# Altium PCB Motherboard Reversible.PcbDoc (continued)
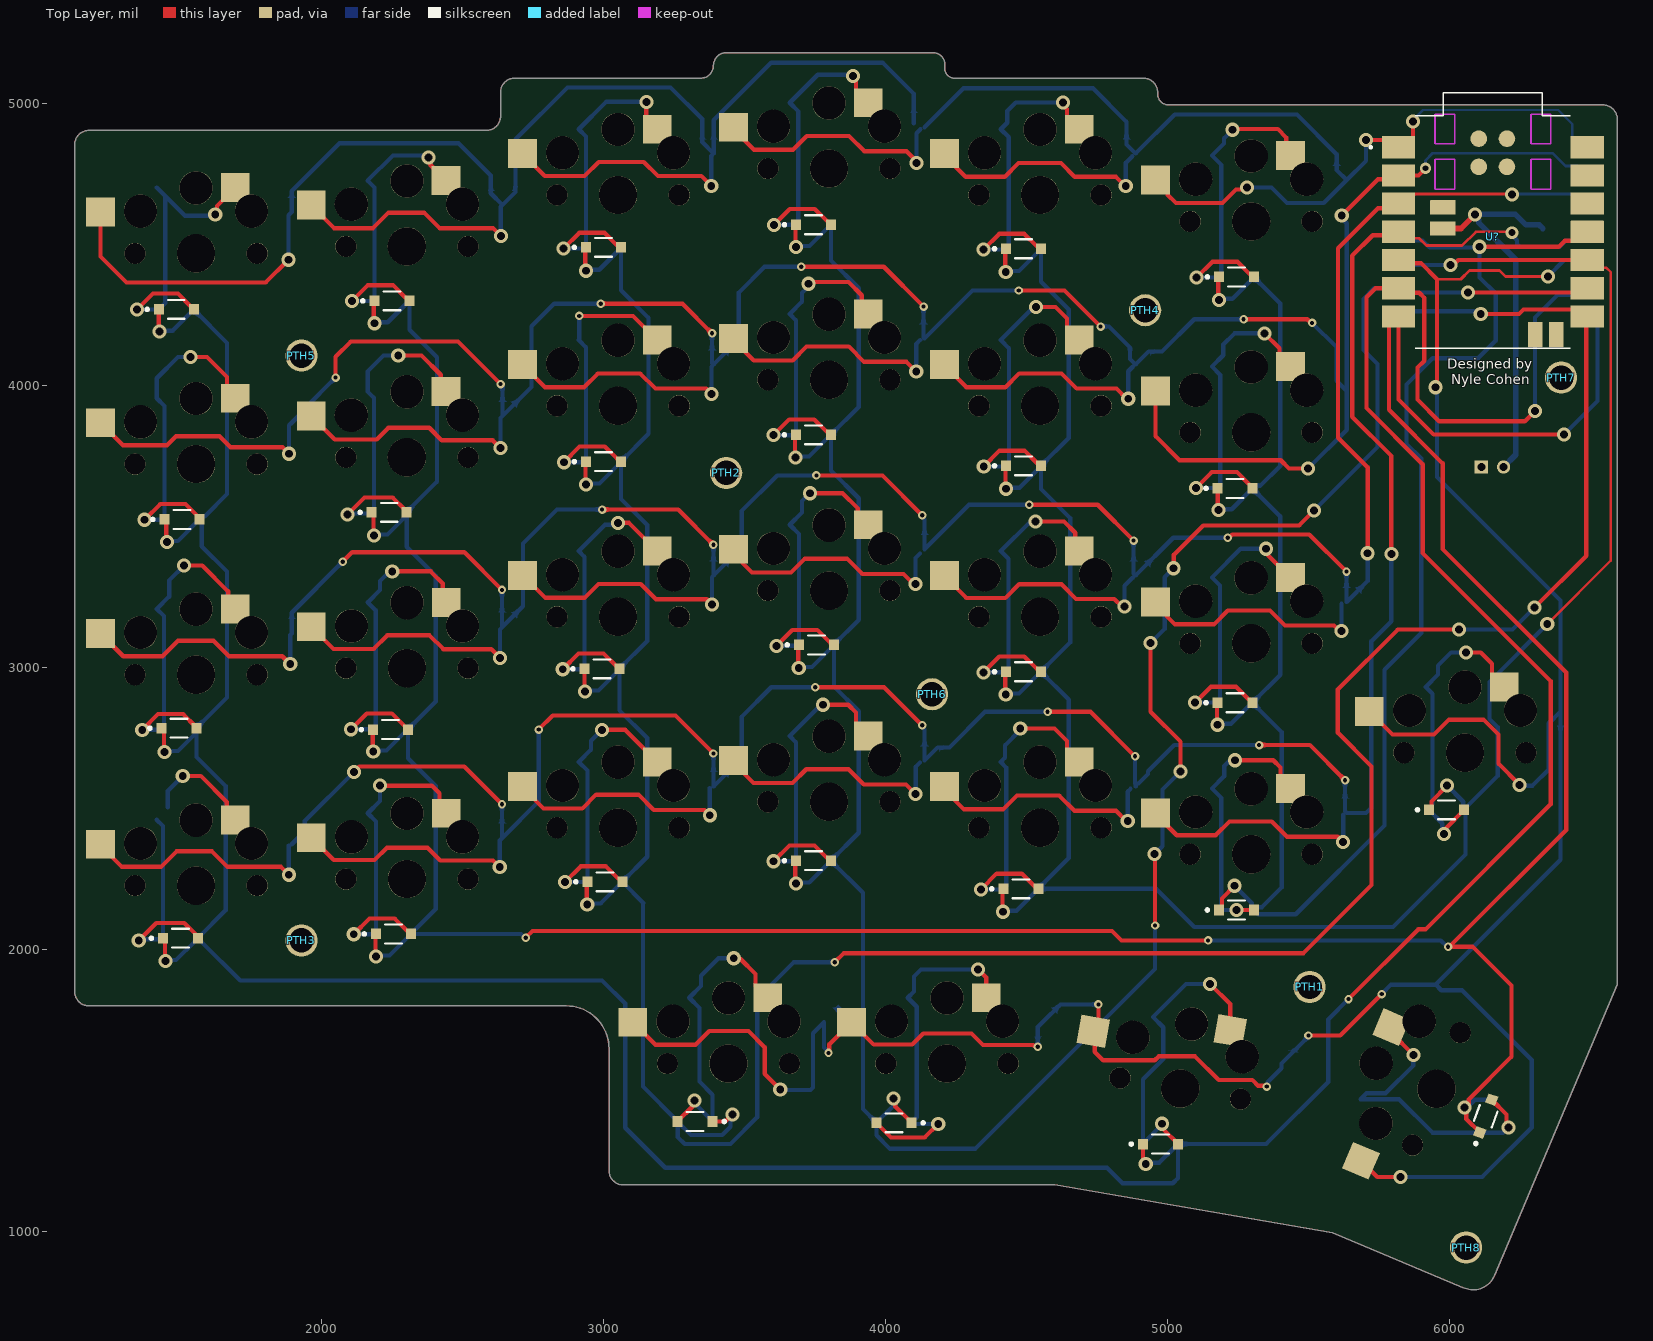
[diagram p0: Top Layer view]
## Nets (pads, with @x,y where several pads share a name; then routed paths per layer and width w, separated by ;. In a path a pad name is that pad's centre, name@x,y a point inside that pad or via, vN(x,y) a via of type N, cw(c..) or ccw(c..) an arc to the next point about the centre after c; other vN are vias at no path point) (continued)
  other v1: 2942.36,2159.91 2934.36,2914.91 2938.36,3648.91 2937.36,4406.91
NetD3_2: D3.2 S3.1 | length 1130
  Top Layer w15: v1(2858.36,4485.91) 2914.36,4541.91 3003.37,4541.91 D3.2@3048.17,4497.11 ; v1(3152,5006) 3152,4947.72 S3.1@3190.72,4909
  Bottom Layer w15: v1(2858.36,4485.91) D3.2@2935.35,4485.91 ; D3.2@2937.99,4490.98 2937.99,4883.38 2912.38,4909 3009.38,5006 v1(3152,5006)
NetD4_1: D4.1 D9.1 D14.1 D19.1 D28.1 U?.8 | length 9766.9
  Top Layer w15: v1@3679.35,3746.92 D9.1@3679.35,3823.91 ; v1@3680.35,2235.92 D19.1@3680.35,2312.91 ; v1@3681.35,4492.92 D4.1@3681.35,4569.91 ; v1@3690.35,2999.92 D14.1@3690.35,3076.91 ; v1(4028,1472) 4034.7,1465.3 4034.7,1443.3 4092.01,1385.98 D28.1@4092.01,1385 ; v1(4940,3087) 4940,2843 5046,2737 v1(5046,2631) ; v1(4954,2338) 4956,2336 v2(4956,2085) ; v1(5022,3352) 5022.5,3352.5 5022.5,3399.5 5127,3504 5467,3504 v1(5520,3557) ; v1(6066,4330) 6473.65,4330 U?.8@6488.65,4345
  Bottom Layer w15: v1@3684.87,3748.42 3728.86,3748.42 D9.1@3803.37,3822.93 ; v1@3685.87,2237.42 3729.86,2237.42 D19.1@3804.37,2311.93 ; v1@3686.87,4494.42 3730.86,4494.42 D4.1@3805.37,4568.93 ; v1@3695.87,3001.42 3739.86,3001.42 D14.1@3814.37,3075.93 ; D4.1@3807.01,4570 3807.01,4442.99 3905,4345 3905,3923.98 3807.01,3825.98 3807.01,3825 3807.01,3697.99 3905,3600 3905,3168.98 3817.01,3080.98 3817.01,3080 3817.01,2932.99 3905,2845 3905,2413.98 3807.01,2315.98 3807.01,2315 3807.01,2314.02 3920,2201.02 3920,1433.98 D28.1@3967.99,1385.98 ; v1(4028,1472) 4028,1445.99 D28.1@3967.99,1385.98 ; v1(4940,3087) 4990,3137 4990,3320 v1(5022,3352) ; v1(4954,2338) 4982,2366 4982,2567 v1(5046,2631) ; v2(4956,2085) 4956,1931 4318,1293 4016,1293 3967.99,1341.01 3967.99,1385 D28.1@3967.99,1385.98 ; v1(5520,3557) 5745,3782 5745,4076 5695,4126 5695,4307 5733,4345 5819.35,4345 5834.35,4330 v1(6066,4330)
  other v1: 3682.36,2233.91 3692.36,2997.91 3681.36,3744.91 3683.36,4490.91
NetD4_2: D4.2 S4.1 | length 1142.1
  Top Layer w15: v1(3604.36,4569.91) 3660.36,4625.91 3749.37,4625.91 D4.2@3794.17,4581.11 ; v1(3885,5098) 3885,5088.53 3895.14,5078.39 3895.14,5046.43 S4.1@3938.82,5002.75
  Bottom Layer w15: v1(3604.36,4569.91) D4.2@3681.35,4569.91 ; D4.2@3682.99,4570 3691,4578.01 3691,4972.22 3660.47,5002.75 3759.73,5102 3881,5102 v1(3885,5098)
NetD5_1: D5.1 D10.1 D15.1 D20.1 D25.1 U?.9 | length 8418.8
  Top Layer w9: v1(6347,3154) 6572,3379 6572,4402 6555.93,4418.07 6515.57,4418.07 U?.9@6488.65,4445
  Top Layer w15: v1@4415.35,2135.92 D20.1@4415.35,2212.91 ; v1@4424.35,2905.92 D15.1@4424.35,2982.91 ; v1@4424.35,4404.92 D5.1@4424.35,4481.91 ; v1@4425.35,3635.92 D10.1@4425.35,3712.91 ; D25.1@5927.99,2495 5936.11,2503.12 5936.11,2525.11 v1(5992,2581) ; v1(6004,4427) 6013.47,4427 6031.47,4445 U?.9@6488.65,4445
  Bottom Layer w15: v1@4420.87,2137.42 4464.86,2137.42 D20.1@4539.37,2211.93 ; v1@4429.87,2907.42 4473.86,2907.42 D15.1@4548.37,2981.93 ; v1@4429.87,4406.42 4473.86,4406.42 D5.1@4548.37,4480.93 ; v1@4430.87,3637.42 4474.86,3637.42 D10.1@4549.37,3711.93 ; D5.1@4552.01,4485 4552.01,4367.99 4650,4270 4650,3813.98 4552.01,3715.98 4552.01,3715 4552.01,3632.99 4655,3530 4655,3088.98 4552.01,2985.98 4552.01,2985 4552.01,2984.02 4650,2886.02 4650,2323.98 4542.01,2215.98 4542.01,2215 4960,2215 5095,2080 5800,2080 6057.01,2337.01 6057.01,2490 6049,2498.01 6049,2524 v1(5992,2581) ; U?.9@5819.35,4445 5837.35,4427 v1(6004,4427) ; D25.1@6052.01,2495.98 6171,2614.98 6171,2789 6142,2818 6142,2949 v1(6347,3154)
  other v1: 4417.36,2133.91 4426.36,2903.91 4427.36,3633.91 4426.36,4402.91
NetD5_2: D5.2 S5.1 | length 1151.7
  Top Layer w15: v1(4347.36,4481.91) 4403.36,4537.91 4492.37,4537.91 D5.2@4537.17,4493.11 ; v1(4630,5004) 4630,4994.53 4643.48,4981.05 4643.48,4952.68 S5.1@4687.16,4909
  Bottom Layer w15: v1(4347.36,4481.91) D5.2@4424.35,4481.91 ; D5.2@4427.99,4485 4437,4494.01 4437,4880.81 4408.81,4909 4431.89,4932.08 4431.89,4973.89 4462,5004 v1(4630,5004)
NetD6_2: D6.2 S6.1 | length 1216.6
  Top Layer w15: v1(1372.36,3523.91) 1428.36,3579.91 1517.37,3579.91 D6.2@1562.17,3535.11 ; v1(1535,4101) 1594,4101 1665,4030 1665,3984.09 S6.1@1694.29,3954.8
  Bottom Layer w15: v1(1372.36,3523.91) D6.2@1449.35,3523.91 ; D6.2@1442.99,3525.98 1442.99,3927.76 1415.94,3954.8 1415.94,4025.94 1491,4101 v1(1535,4101)
NetD7_2: D7.2 S7.1 | length 1233.6
  Top Layer w15: v1(2092,3542) 2152.91,3602.91 2252.37,3602.91 D7.2@2297.17,3558.11 ; v1(2272,4106) 2355,4106 2423,4038 2423,3997.71 S7.1@2442.01,3978.7
  Bottom Layer w15: v1(2092,3542) 2096,3546 2183.44,3546 D7.2@2184.35,3546.91 ; D7.2@2177.99,3550 2186,3558.01 2186,3956.36 2163.66,3978.7 2163.66,4049.66 2220,4106 v1(2272,4106)
NetD8_2: D8.2 S8.1 | length 1148.2
  Top Layer w15: v1(2859.36,3727.91) 2915.36,3783.91 3004.37,3783.91 D8.2@3049.17,3739.11 ; v2(2914,4247) 3104.75,4247 S8.1@3190.72,4161.02
  Bottom Layer w15: v1(2859.36,3727.91) D8.2@2936.35,3727.91 ; v2(2914,4247) 2914,4162.65 2912.38,4161.02 2937.99,4135.41 D8.2@2937.99,3730.98
NetD9_2: D9.2 S9.1 | length 1167.2
  Top Layer w15: v1(3602.36,3823.91) 3658.36,3879.91 3747.37,3879.91 D9.2@3792.17,3835.11 ; v1(3727,4361) 3733,4367 3869,4367 3916,4320 3916,4276.52 S9.1@3938.82,4253.7
  Bottom Layer w15: v1(3602.36,3823.91) D9.2@3679.35,3823.91 ; D9.2@3682.99,3825.98 3682.99,4231.18 3660.47,4253.7 3704.15,4297.38 3704.15,4328.68 3727,4351.53 v1(3727,4361)
NetD10_2: D10.2 S10.1 | length 1165.3
  Top Layer w15: v1(4348.36,3712.91) 4404.36,3768.91 4493.37,3768.91 D10.2@4538.17,3724.11 ; v1(4534,4278) 4603,4278 4643.48,4237.52 4643.48,4204.7 S10.1@4687.16,4161.02
  Bottom Layer w15: v1(4348.36,3712.91) D10.2@4425.35,3712.91 ; D10.2@4427.99,3715 4438,3725.01 4438,4131.83 4408.81,4161.02 4525.79,4278 v1(4534,4278)
NetD11_2: D11.2 S11.1 | length 1206.4
  Top Layer w15: v1(1364.36,2778.91) 1420.36,2834.91 1509.37,2834.91 D11.2@1554.17,2790.11 ; v1(1513,3362) 1577,3362 1669,3270 1669,3232.91 S11.1@1694.29,3207.61
  Bottom Layer w15: v1(1364.36,2778.91) D11.2@1441.35,2778.91 ; D11.2@1432.99,2785 1441,2793.01 1441,3182.56 1415.94,3207.61 1459.63,3251.3 1459.63,3308.63 v1(1513,3362)
NetD12_2: D12.2 S12.1 | length 1195.3
  Top Layer w15: v1(2104.36,2780.91) 2160.36,2836.91 2249.37,2836.91 D12.2@2294.17,2792.11 ; v1(2251,3341) 2387,3341 2430,3298 2430,3243.2 S12.1@2442.17,3231.02
  Bottom Layer w15: v1(2104.36,2780.91) D12.2@2181.35,2780.91 ; D12.2@2182.99,2780 2192,2789.01 2192,3202.85 2163.83,3231.02 2207.51,3274.7 2207.51,3306.71 2241.8,3341 v1(2251,3341)
NetD13_2: D13.2 S13.1 | length 1095.3
  Top Layer w15: v1(2855.36,2993.91) 2911.36,3049.91 3000.37,3049.91 D13.2@3045.17,3005.11 ; v1(3052,3513) 3090.75,3513 S13.1@3190.72,3413.02
  Bottom Layer w15: v1(2855.36,2993.91) D13.2@2932.35,2993.91 ; D13.2@2932.99,2995.98 2932.99,3392.41 2912.38,3413.02 3005.66,3506.3 3045.3,3506.3 v1(3052,3513)
NetD14_2: D14.2 S14.1 | length 1154.3
  Top Layer w15: v1(3613.36,3076.91) 3669.36,3132.91 3758.37,3132.91 D14.2@3803.17,3088.11 ; v1(3732,3618) 3848,3618 3902,3564 3902,3542.84 S14.1@3938.82,3506.02
  Bottom Layer w15: v1(3613.36,3076.91) D14.2@3690.35,3076.91 ; D14.2@3692.99,3080.98 3692.99,3473.5 3660.47,3506.02 3704.15,3549.7 3704.15,3590.15 v1(3732,3618)
NetD15_2: D15.2 S15.1 | length 1146.2
  Top Layer w15: v1(4347.36,2982.91) 4403.36,3038.91 4492.37,3038.91 D15.2@4537.17,2994.11 ; v1(4532,3518) 4633,3518 4673,3478 4673,3427.18 S15.1@4687.16,3413.02
  Bottom Layer w15: v1(4347.36,2982.91) D15.2@4424.35,2982.91 ; D15.2@4427.99,2985 4436,2993.01 4436,3385.84 4408.81,3413.02 4513.79,3518 v1(4532,3518)
NetD16_2: D16.2 S16.1 | length 1138
  Top Layer w15: v1(1352,2032) 1413.91,2093.91 1513.37,2093.91 D16.2@1558.17,2049.11 ; v1(1508,2615) 1572,2615 1664,2523 S16.1@1664,2485.91
  Bottom Layer w15: v1(1352,2032) 1356,2036 1436.08,2036 1437.99,2037.91 D16.2@1445.35,2037.91 ; S16.1@1415.94,2459.7 1437.99,2437.65 D16.2@1437.99,2040.98 ; S16.1@1454.63,2504.3 1454.63,2561.63 v1(1508,2615)
NetD17_2: D17.2 S17.1 | length 1166.7
  Top Layer w15: v1(2114.36,2053.91) 2170.36,2109.91 2259.37,2109.91 D17.2@2304.17,2065.11 ; v1(2207,2581) 2391,2581 2418,2554 2418,2507.2 S17.1@2442.17,2483.02
  Bottom Layer w15: v1(2114.36,2053.91) D17.2@2191.35,2053.91 ; D17.2@2192.99,2055.98 2192.99,2453.86 2163.83,2483.02 2207,2526.2 v1(2207,2581)
NetD18_2: D18.2 S18.1 | length 1136.4
  Top Layer w15: v1(2863.36,2238.91) 2919.36,2294.91 3008.37,2294.91 D18.2@3053.17,2250.11 ; v1(2995,2779) 3076.75,2779 S18.1@3190.72,2665.02
  Bottom Layer w15: v1(2863.36,2238.91) D18.2@2940.35,2238.91 ; D18.2@2942.99,2240.98 2942.99,2634.41 2912.38,2665.02 2956.06,2708.7 2956.06,2740.06 v1(2995,2779)
NetD19_2: D19.2 S19.1 | length 1152.7
  Top Layer w15: v1(3603.36,2312.91) 3659.36,2368.91 3748.37,2368.91 D19.2@3793.17,2324.11 ; v1(3778,2868) 3868,2868 3895.14,2840.86 3895.14,2800.7 S19.1@3938.82,2757.02
  Bottom Layer w15: v1(3603.36,2312.91) D19.2@3680.35,2312.91 ; D19.2@3682.99,2315.98 3682.99,2734.5 3660.47,2757.02 3771.45,2868 v1(3778,2868)
NetD20_2: D20.2 S20.1 | length 1194.8
  Top Layer w15: v1(4338.36,2212.91) 4394.36,2268.91 4483.37,2268.91 D20.2@4528.17,2224.11 ; v1(4478,2784) 4599,2784 4643.48,2739.52 4643.48,2708.68 S20.1@4687.16,2665
  Bottom Layer w15: v1(4338.36,2212.91) D20.2@4415.35,2212.91 ; D20.2@4417.99,2215 4428,2225.01 4428,2645.81 4408.81,2665 4424,2680.19 4424,2724 4478,2778 v1(4478,2784)
NetD21_2: D21.2 S21.1 | length 1140.2
  Top Layer w15: v1(4981,1382) 4987.7,1375.3 4987.7,1360.3 5037.01,1310.98 D21.2@5037.01,1310 ; v1(5151,1878) 5222.73,1806.27 S21.1@5222.73,1712.44
  Bottom Layer w15: v1@4981,1385 4981,1378.99 4912.99,1310.98 4912.99,1310 4912.99,1539.99 4985,1612 4985,1724.39 4948.62,1760.78 5065.84,1878 v1(5151,1878)
NetD22_1: D22.1 D24.1 D27.1 D29.1 U?.10 | length 7102.8
  Top Layer w15: v1@5175.35,2798.92 D24.1@5175.35,2875.91 ; v1@5178.35,3559.92 D27.1@5178.35,3636.91 ; v1@5180.35,4305.92 D22.1@5180.35,4382.91 ; D29.1@5182.99,2140 5193.2,2150.21 5193.2,2181.2 v1(5238,2226) ; v1(6107,4492) 6388,4492 6409.13,4513.13 6456.78,4513.13 U?.10@6488.65,4545
  Bottom Layer w15: v1@5180.87,2800.42 5224.86,2800.42 D24.1@5299.37,2874.93 ; v1@5183.87,3561.42 5227.86,3561.42 D27.1@5302.37,3635.93 ; v1@5185.87,4307.42 5229.86,4307.42 D22.1@5304.37,4381.93 ; v1(5238,2226) 5299,2165 5299,2148.01 D29.1@5307.01,2140 ; D29.1@5307.01,2139.02 5319.72,2126.3 5320.71,2126.3 5322.01,2125 5455,2125 5770,2440 5770,2992 5900,3122 5900,3741 5848,3793 5848,4004 5941,4097 6102,4097 6164,4159 6164,4326 6107,4383 v1(6107,4492) 6104,4489 5930,4489 5904.69,4514.31 5850.04,4514.31 U?.10@5819.35,4545 ; D29.1@5307.01,2140.98 5316.15,2150.12 5335.12,2150.12 5405,2220 5405,2771.02 5302.01,2874.02 5302.01,2875 5302.01,2875.98 5400,2973.98 5400,3536.02 5302.01,3634.02 5302.01,3635 5312.01,3645 5330,3645 5400,3715 5400,4291.02 5307.01,4384.02 D22.1@5307.01,4385
  other v1: 5177.36,2796.91 5180.36,3557.91 5182.36,4303.91
NetD22_2: D22.2 S22.1 | length 1152.3
  Top Layer w15: v1(5103.36,4382.91) 5159.36,4438.91 5248.37,4438.91 D22.2@5293.17,4394.11 ; v1(5231,4907) 5233.5,4909.5 5391.5,4909.5 5421,4880 5421,4830.12 S22.1@5435.87,4815.24
  Bottom Layer w15: v1(5103.36,4382.91) D22.2@5180.35,4382.91 ; D22.2@5182.99,4385 5191,4393.01 5191,4781.77 5157.53,4815.24 5200.48,4858.19 5200.48,4876.48 v1(5231,4907)
NetD23_2: D23.2 S23.1 | length 1112.3
  Top Layer w15: D23.2@3262.99,1390 3262.99,1390.98 3316.3,1444.3 3316.3,1457.3 v1(3323,1464) ; v1(3462,1969) 3464,1967 3485,1967 3538.64,1913.36 3538.64,1872.38 S23.1@3582.32,1828.7
  Bottom Layer w15: v1(3323,1464) 3323,1454.99 3387.01,1390.98 3387.01,1390 3387.01,1484.99 3340,1532 3340,1792.68 3303.98,1828.7 3346,1870.72 3346,1907 3408,1969 v1(3462,1969)
NetD24_2: D24.2 S24.1 | length 1139.4
  Top Layer w15: v1(5098.36,2875.91) 5154.36,2931.91 5243.37,2931.91 D24.2@5288.17,2887.11 ; v1(5349,3421) 5355.7,3414.3 5355.7,3399.2 S24.1@5435.87,3319.02
  Bottom Layer w15: v1(5098.36,2875.91) D24.2@5175.35,2875.91 ; D24.2@5177.99,2875 5186,2883.01 5186,3290.55 5157.53,3319.02 5259.5,3421 v1(5349,3421)
NetD25_2: D25.2 S25.1 | length 1093.1
  Top Layer w15: v1(5981,2410) 5987.7,2416.7 5987.7,2429.7 6052.01,2494.02 D25.2@6052.01,2495 ; v1(6059,3053) 6111,3053 6150.49,3013.51 6150.49,2974.7 S25.1@6194.17,2931.02
  Bottom Layer w15: v1(5981,2410) 5974.3,2416.7 5974.3,2447.7 5927.99,2494.02 5927.99,2495 5938.21,2505.22 5938.21,2513.2 5940,2514.99 5940,2906.85 5915.83,2931.02 5959.51,2974.7 5959.51,3006.51 6006,3053 v1(6059,3053)
NetD26_2: D26.2 S26.1 | length 1109.3
  Top Layer w15: S26.1@5793.43,1724.92 5793.43,1704.57 v1(5872,1626) ; D26.2@6150.21,1467.27 6202.3,1415.17 6202.3,1375.7 v1(6209,1369)
  Bottom Layer w15: v1(5872,1626) 5872,1589 5773,1490 5705.97,1490 5684.67,1468.7 5821.3,1468.7 5939.6,1350.39 6190.4,1350.39 v1(6209,1369)
NetD27_2: D27.2 S27.1 | length 1169.9
  Top Layer w15: v1(5101.36,3636.91) 5157.36,3692.91 5246.37,3692.91 D27.2@5291.17,3648.11 ; v1(5344,4185) 5397.08,4131.92 5397.08,4105.82 S27.1@5435.87,4067.02
  Bottom Layer w15: v1(5101.36,3636.91) D27.2@5178.35,3636.91 ; D27.2@5177.99,3635 5187,3644.01 5187,4037.55 5157.53,4067.02 5198,4107.5 5198,4145 5238,4185 v1(5344,4185)
NetD28_2: D28.2 S28.1 | length 1256.3
  Top Layer w15: D28.2@3967.99,1385 3967.99,1384.02 3978.21,1373.8 3979.19,1373.8 4019.99,1333 4139,1333 v1(4187,1381) ; v1(4328,1929) 4329,1929 4357.32,1900.68 S28.1@4357.32,1828.7
  Bottom Layer w15: D28.2@4092.01,1385 4096.01,1381 v1(4187,1381) ; D28.2@4092.01,1385.98 4111,1404.98 4111,1796.68 4078.98,1828.7 4101,1850.72 4101,1904 4126,1929 v1(4328,1929)
NetD29_2: D29.2 S29.1 | length 964.5
  Top Layer w15: v1(5239,2671) 5375,2671 5401,2645 5401,2605.9 S29.1@5435.87,2571.02 ; v1(5245,2140) D29.2@5307.01,2140
  Bottom Layer w15: v1(5239,2671) 5222,2671 5201.21,2650.21 5201.21,2614.7 5157.53,2571.02 5191,2537.55 5191,2142.21 5193.21,2140 v1(5245,2140)
NetP?_2: P?.2 U?.BAT_P | length 1369.4
  Top Layer w20: U?.BAT_P@5976.83,4556.81 6040.81,4556.81 v1(6091,4607)
  Bottom Layer w20: P?.2 6192,3711.34 6235,3754.34 6235,4446 6103.39,4577.61 6103.39,4586.49 6091,4598.88 v1(6091,4607) 6234,4607 6271.33,4569.67 6318.31,4569.67 U?.BAT_P@6331.17,4556.81
NetS1_2: S1.2 S2.2 S3.2 S4.2 S5.2 S22.2 U?.0 | length 11624.5
  Top Layer w15: S1.2@1215.94,4615.2 1215.94,4457.06 1308,4365 1802,4365 v1(1883,4446) ; S2.2@1962.94,4639 2043.94,4558 2183,4558 2238,4613 2364,4613 2419,4558 2608,4558 v1(2636,4530) ; S3.2@2712.38,4822.38 2791.76,4743 2933,4743 2983,4793 3143,4793 3193,4743 3347,4743 v1(3382,4708) ; S4.2@3453.38,4916.41 3533.79,4836 3672,4836 3721,4885 3871,4885 3925,4831 4074.22,4831 4110,4795.22 v1(4110,4789) ; S5.2@4204.38,4820.41 4284.79,4740 4423,4740 4472,4789 4622,4789 4671,4740 4817.82,4740 4850.82,4707 v1(4852,4707) ; S22.2@4957.53,4728.63 5001.21,4684.95 5001.21,4675.79 5030,4647 5195,4647 5243.3,4695.3 5275.3,4695.3 v1(5282,4702) ; v1(5704,4871) 5793.35,4871 5819.35,4845 5845.72,4871.36 5864.86,4871.36 5870.36,4876.87 5870.36,4935.36 v1(5871,4936)
  Bottom Layer w8: v1(5871,4936) 5871,4942 5906,4977 6386,4977 6435.77,4927.23 6435.77,4879.37 6470.14,4845 U?.0@6488.65,4845
  Bottom Layer w15: v1(1883,4446) 1883,4603.91 1894.29,4615.2 1894.29,4689.29 2064,4859 2486,4859 2600,4745 2600,4681.89 2642.01,4639.88 2688.19,4686.06 2688.19,4873.19 2872,5057 3238,5057 3350,4945 3350,4863.11 S3.2@3390.72,4822.38 ; v1(2636,4530) S2.2@2636,4633.71 ; v1(3382,4708) 3382,4813.66 S3.2@3390.72,4822.38 ; S4.2@4100,4930 4100,5035 3990,5145 3595,5145 3390.72,4940.72 S3.2@3390.72,4822.38 ; v1(4110,4789) 4110,4894.69 S4.2@4124,4908.69 ; S4.2@4138.82,4916.13 4276.69,5054 4736,5054 4855,4935 4855,4854.54 4887.16,4822.38 5025.78,4961 5459,4961 5600,4820 5600,4764.5 S22.2@5635.87,4728.63 ; v1(4852,4707) 4852,4789.69 S5.2@4875,4812.69 ; v1(5282,4702) 5369,4702 5424,4647 5554.24,4647 S22.2@5635.87,4728.63 ; v1(5704,4871) 5704,4796.76 S22.2@5635.87,4728.63
NetS6_2: S6.2 S7.2 S8.2 S9.2 S10.2 S27.2 U?.1 | length 12411.8
  Top Layer w15: S6.2@1215.94,3868.19 1296.13,3788 1452,3788 1484,3820 1638,3820 1677,3781 1862,3781 v1(1885,3758) ; S7.2@1963.66,3892.09 2046.75,3809 2196,3809 2237,3850 2382,3850 2426,3806 2607,3806 v1(2635,3778) ; v2(2050,4028) 2050,4102 2104,4156 2484,4156 v2(2635,4005) ; S8.2@2712.38,4074.41 2792.79,3994 2931,3994 2980,4043 3130,4043 3184,3989 3364,3989 v1(3383,3970) ; v2(2990,4290) 3280,4290 v2(3385,4185) ; S9.2@3452.38,4169.41 3532.79,4089 3671,4089 3720,4138 3870,4138 3924,4084 4075,4084 v1(4109,4050) ; v2(3701,4421) 3994,4421 v2(4135,4280) ; S10.2@4206.38,4074.41 4286.79,3994 4425,3994 4474,4043 4624,4043 4678,3989 4819.22,3989 4855.22,3953 v1(4861,3953) ; v2(4473,4337) 4635,4337 v2(4763,4209) ; S27.2@4957.53,3980.41 4957.53,3820.47 5043,3735 5402,3735 5431,3706 v1(5499,3706) ; v2(5270,4235) 5495.94,4235 5508.94,4222 v2(5513,4222) ; v1(5618,4603) 5746.59,4731.59 5805.94,4731.59 5819.35,4745 5890,4745 v4(5915,4770)
  Bottom Layer w10: v4(5915,4770) 5915,4798 5941,4824 6366,4824 6411.81,4778.19 6455.46,4778.19 U?.1@6488.65,4745
  Bottom Layer w15: v1(1885,3758) 1885,3858.9 1894.29,3868.19 1940.47,3914.37 1940.47,3918.47 v2(2050,4028) ; v1(2635,3778) 2635,3885.08 S7.2@2642.01,3892.09 ; v2(2635,4005) 2635,3999.59 2642.01,3992.58 S7.2@2642.01,3892.09 ; v2(2990,4290) 2825,4290 2745,4210 2745,3995.08 S7.2@2642.01,3892.09 ; v1(3383,3970) 3383,4066.68 S8.2@3390.72,4074.41 ; v2(3385,4185) 3385,4080.13 S8.2@3390.72,4074.41 ; v2(3701,4421) 3571,4421 3480,4330 3480,4163.69 S8.2@3390.72,4074.41 ; v1(4109,4050) 4109,4147.69 S9.2@4123,4161.69 ; v2(4135,4280) 4135,4170.91 4138.82,4167.09 4308.73,4337 v2(4473,4337) ; v2(4763,4209) 4793,4209 4867.27,4134.73 4867.27,4094.3 4887.16,4074.41 4933.34,4120.59 4980.59,4120.59 5095,4235 v2(5270,4235) ; v1(4861,3953) 4861,4050.68 S10.2@4877,4066.68 ; v1(5499,3706) 5635.87,3842.87 S27.2@5635.87,3980.41 ; v2(5513,4222) 5599,4136 5599,4017.28 S27.2@5635.87,3980.41 ; v1(5618,4603) 5618,4593.53 5635.87,4575.66 S27.2@5635.87,3980.41
NetS11_2: S11.2 S12.2 S13.2 S14.2 S15.2 S24.2 U?.2 | length 12868.5
  Top Layer w10: U?.2@5819.35,4645 5851.22,4676.87 5877.57,4676.87 5879.7,4679 6221,4679 v1(6222,4678)
  Top Layer w15: S11.2@1215.94,3121 1296.94,3040 1436,3040 1491,3095 1617,3095 1672,3040 1861,3040 v1(1889,3012) ; S12.2@1963.83,3144.41 2042.24,3066 2185,3066 2233,3114 2383,3114 2432,3065 2602,3065 v1(2633,3034) ; v2(2075,3375) 2109,3409 2506,3409 v2(2640,3275) ; S13.2@2714.38,3327.41 2794.79,3247 2933,3247 2982,3296 3132,3296 3186,3242 3366,3242 v1(3385,3223) ; v2(2995,3560) 3265,3560 v2(3390,3435) ; S14.2@3446.38,3417.41 3526.79,3337 3665,3337 3714,3386 3864,3386 3918,3332 4064.22,3332 4100.22,3296 v1(4106,3296) ; v2(3755,3681) 3989,3681 v2(4130,3540) ; S15.2@4206.38,3326.41 4286.79,3246 4425,3246 4474,3295 4624,3295 4676,3243 4811.53,3243 4838.53,3216 v1(4848,3216) ; v2(4510,3577) 4753,3577 v2(4880,3450) ; S24.2@4946.38,3233.41 5026.79,3153 5165,3153 5214,3202 5364,3202 5417,3149 5590.71,3149 5610.71,3129 v1(5617,3129) ; v2(5214,3460) 5218.06,3460 5230.06,3472 5503,3472 v2(5635,3340) ; v1(5710,3405) 5710,3710 5605,3815 5605,4487 5746.59,4628.59 5802.94,4628.59 U?.2@5819.35,4645
  Bottom Layer w10: v1(6222,4678) 6223,4679 6428.3,4679 6430.43,4676.87 6456.78,4676.87 U?.2@6488.65,4645
  Bottom Layer w15: v1(1889,3012) 1889,3115.71 1894.29,3121 1894.29,3194.29 v2(2075,3375) ; v1(2633,3034) 2633,3135.24 S12.2@2642.17,3144.41 ; v2(2640,3275) 2640,3146.58 S12.2@2642.17,3144.41 ; v2(2995,3560) 2835,3560 2715,3440 2715,3217.24 S12.2@2642.17,3144.41 ; v1(3385,3223) S13.2@3385,3319.68 ; v2(3390,3435) 3390,3327.13 3390.72,3326.41 3490,3425.68 3490,3555 3616,3681 v2(3755,3681) ; v1(4106,3296) 4106,3388.68 S14.2@4122,3404.68 ; v2(4130,3540) 4130,3534.59 4138.82,3525.77 4138.82,3419.41 4296.41,3577 v2(4510,3577) ; v1(4848,3216) 4848,3289.68 S15.2@4877,3318.68 ; v2(4880,3450) 4880,3333.57 4887.16,3326.41 5020.75,3460 v2(5214,3460) ; v1(5617,3129) S24.2@5617,3225.68 ; v2(5635,3340) 5635,3233.28 5635.87,3232.41 5710,3306.54 v1(5710,3405)
NetS16_2: S16.2 S17.2 S18.2 S19.2 S20.2 S29.2 U?.3 | length 13690.6
  Top Layer w10: U?.3@5819.35,4545 5842.35,4522 5893,4522 5919,4496 6045,4496 6094,4545 6219,4545 v3(6222,4542)
  Top Layer w15: S16.2@1210.94,2374 1291.94,2293 1431,2293 1486,2348 1612,2348 1667,2293 1856,2293 v1(1884,2265) ; S17.2@1963.83,2396.41 2043.24,2317 2188,2317 2232,2361 2376,2361 2421,2316 2608,2316 v1(2632,2292) ; v1(2115,2630) 2134,2649 2506,2649 v2(2640,2515) ; S18.2@2706.38,2580.41 2786.79,2500 2925,2500 2974,2549 3124,2549 3178,2495 3358,2495 v1(3377,2476) ; v2(2770,2780) 2820,2830 3255,2830 v2(3390,2695) ; S19.2@3451.38,2670.41 3531.79,2590 3670,2590 3719,2639 3869,2639 3923,2585 4072.82,2585 4105.82,2552 v1(4107,2552) ; v2(3751,2930) 3995,2930 v2(4130,2795) ; S20.2@4198.38,2577.41 4278.79,2497 4417,2497 4466,2546 4616,2546 4670,2492 4817.22,2492 4853.22,2456 v1(4859,2456) ; v2(4575,2843) 4727,2843 v2(4885,2685) ; S29.2@4952.38,2485.41 5032.79,2405 5171,2405 5220,2454 5370,2454 5424,2400 5604,2400 v1(5623,2381) ; v2(5325,2725) 5505,2725 v2(5630,2600) ; v1(5794,3402) 5794,3750 5655,3889 5655,4460 5728,4533 5807.35,4533 U?.3@5819.35,4545
  Bottom Layer w15: v1(1884,2265) S16.2@1884,2368.71 ; S16.2@1894.29,2373.09 1940.47,2419.27 1940.47,2455.47 v1(2115,2630) ; v1(2632,2292) 2632,2386.24 S17.2@2642.17,2396.41 ; v2(2640,2515) 2640,2398.58 S17.2@2642.17,2396.41 ; v2(2770,2780) 2770,2524.24 S17.2@2642.17,2396.41 ; v1(3377,2476) S18.2@3377,2572.68 ; v2(3390,2695) 3390,2579.13 3390.72,2578.41 3490,2677.68 3490,2825 3595,2930 v2(3751,2930) ; v1(4107,2552) 4107,2647.68 S19.2@4122,2662.68 ; v2(4130,2795) 4130,2789.59 4138.82,2780.77 4138.82,2670.41 4185,2716.59 4226.59,2716.59 4353,2843 v2(4575,2843) ; v1(4859,2456) 4859,2559.68 S20.2@4869,2569.68 ; S20.2@4885,2588.16 v2(4885,2685) ; S20.2@4887.16,2578.39 4887.16,2588.16 4896.93,2588.16 4930.84,2622.07 4930.84,2631.84 5024,2725 v2(5325,2725) ; v1(5623,2381) S29.2@5623,2477.68 ; v2(5630,2600) 5630,2490.28 5635.87,2484.41 5704.41,2484.41 5723,2503 5723,3093 5794,3164 v1(5794,3402) ; v3(6222,4542) 6222,4532.53 6239.39,4515.14 6239.39,4501.61 6250,4491 6390,4491 6412.13,4513.13 6456.78,4513.13 U?.3@6488.65,4545
NetS21_2: S21.2 S23.2 S25.2 S26.2 S28.2 U?.4 | length 10114.3
  Top Layer w10: 5956,4377 6040,4377 6071,4408 6177.63,4408 6198.63,4387 v1(6349,4387)
  Top Layer w15: S23.2@3103.98,1742.09 3184.06,1662 3326,1662 3375,1711 3514,1711 3572,1653 3572,1559 v1(3627,1504) ; v2(3798,1633) 3800.87,1635.87 3800.87,1663.98 3878.98,1742.09 3958.06,1663 4095,1663 4134,1702 4305,1702 4346,1661 4523.71,1661 4526.84,1657.87 4537.13,1657.87 v2(4540,1655) ; v2(4755,1805) 4755,1728.6 4736.61,1710.21 4741.79,1705.03 4741.79,1637.21 4772,1607 4955,1607 4969,1621 5098,1621 5182,1537 5301,1537 5321.13,1516.87 5349.11,1516.87 v2(5351.98,1514) ; v2(5500,1695) 5613,1695 v2(5760,1842) ; S26.2@5686.26,1250.76 5744.01,1193 v1(5827,1193) ; S25.2@5715.83,2844.41 5798.24,2762 5945,2762 5998,2815 6121,2815 6174,2762 6174,2659 v1(6249,2584) ; U?.4@5819.35,4445 5830.35,4434 5899,4434 5956,4377 5956,4000 v1(5950,3994)
  Bottom Layer w15: v1(3627,1504) 3629,1502 3734.21,1502 3743,1510.79 3743,1702.76 3782.32,1742.09 3782.32,1652.74 3798,1637.06 v2(3798,1633) ; v2(4540,1655) 4540,1724.76 4557.32,1742.09 4620.24,1805 v2(4755,1805) ; v2(5351.98,1514) 5354.85,1516.87 5354.85,1529.23 5404.65,1579.04 5404.65,1596.04 5500,1691.38 v2(5500,1695) ; v2(5760,1842) 5793.18,1875.18 S26.2@5951.31,1875.18 ; v1(5827,1193) 6116,1193 6292,1369 6292,1608 6044.44,1855.56 5970.92,1855.56 S26.2@5951.31,1875.18 ; v1(5950,3994) 5956,3988 5956,3676 6394.17,3237.83 S25.2@6394.17,2844.41 ; v1(6249,2584) 6252,2581 6295,2581 6352,2638 6352,2802.24 S25.2@6394.17,2844.41 ; v1(6349,4387) 6407,4445 U?.4@6488.65,4445 ; S26.2@5951.31,1875.18 6394.17,2318.04 S25.2@6394.17,2844.41
pads on no net: PTH1.1 PTH2.1 PTH3.1 PTH4.1 PTH5.1 PTH6.1 PTH7.1 S1. S2. S3. S4. S5. S6. S7. S8. S9. S10. S11. S12. S13. S14. S15. S16. S17. S18. S19. S20. S21. S22. S23. S24. S25. S26. S27. S28. S29. U?.3V3 U?.NFC1 U?.NFC2 U?.TP2 U?.TP3 U?.TP5 U?.VUSB

## Polygon pours and split planes (outlines as drawn)
GND on Top Layer "NONET_L01_P005" (solid, shelved, pour order 5): 1175,1800 cw(c1175,1850) 1125,1850 1125,4855 cw(c1175,4855) 1175,4905 2585,4905 ccw(c2585,4955) 2635,4955 2635,5040 cw(c2685,5040) 2685,5090 3345,5090 ccw(c3345,5135) 3390,5135 cw(c3435,5135) 3435,5180 4170,5180 cw(c4170,5140) 4210,5140 4210,5125 ccw(c4245,5125) 4245,5090 4915,5090 cw(c4915,5040) 4965,5040 4965,5035 ccw(c5005,5035) 5005,4995 6545,4995 cw(c6545,4945) 6595,4945 6595,1876.24 6160.46,845.21 cw(c6084,875.08) 6048.51,801.07 5585,995 4600,1165 3070,1165 cw(c3070,1215) 3020,1215 3020,1647.95 ccw(c2867.95,1647.95) 2867.95,1800
GND on Bottom Layer "NONET_L02_P006" (solid, shelved, pour order 6): 1175,1800 cw(c1175,1850) 1125,1850 1125,4855 cw(c1175,4855) 1175,4905 2585,4905 ccw(c2585,4955) 2635,4955 2635,5040 cw(c2685,5040) 2685,5090 3345,5090 ccw(c3345,5135) 3390,5135 cw(c3435,5135) 3435,5180 4170,5180 cw(c4170,5140) 4210,5140 4210,5125 ccw(c4245,5125) 4245,5090 4915,5090 cw(c4915,5040) 4965,5040 4965,5035 ccw(c5005,5035) 5005,4995 6545,4995 cw(c6545,4945) 6595,4945 6595,1876.24 6160.46,845.21 cw(c6084,875.08) 6048.51,801.07 5585,995 4600,1165 3070,1165 cw(c3070,1215) 3020,1215 3020,1647.95 ccw(c2867.95,1647.95) 2867.95,1800

## Silkscreen, mask and mechanical layers (free items; w line width, h text height)
Top Overlay:
  text "Designed by" at 5992,4046.67 h60
  text "Nyle Cohen" at 6006.03,3991.67 h60
Mechanical 1:
  lines w10: 6079.9,845.04 6520.04,1880.37 ; 1125,1850 ccw(c1175,1850) 1175,1800 2867.95,1800 cw(c2867.95,1647.95) 3020,1647.95 3020,1215 ccw(c3070,1215) 3070,1165 4600,1165 5585,995 6048.51,801.07 ccw(c6084,875.08) 6160.46,845.21 6595,1876.24 6595,1940 6595,1955 6595,2000 6595,2030 6595,4945 ccw(c6545,4945) 6545,4995 5005,4995 cw(c5005,5035) 4965,5035 4965,5040 ccw(c4915,5040) 4915,5090 4245,5090 cw(c4245,5125) 4210,5125 4210,5140 ccw(c4170,5140) 4170,5180 3435,5180 ccw(c3435,5135) 3390,5135 cw(c3345,5135) 3345,5090 2685,5090 ccw(c2685,5040) 2635,5040 2635,4955 cw(c2585,4955) 2585,4905 1925,4905 1175,4905 ccw(c1175,4855) 1125,4855 1125,1850 ; 5389.62,1138.05 5829.19,2173.62 6519.57,1880.57 6080,845 5389.62,1138.05